# Altium PCB fullCURRENT power.PcbDoc (part 1 of 2) (continued)
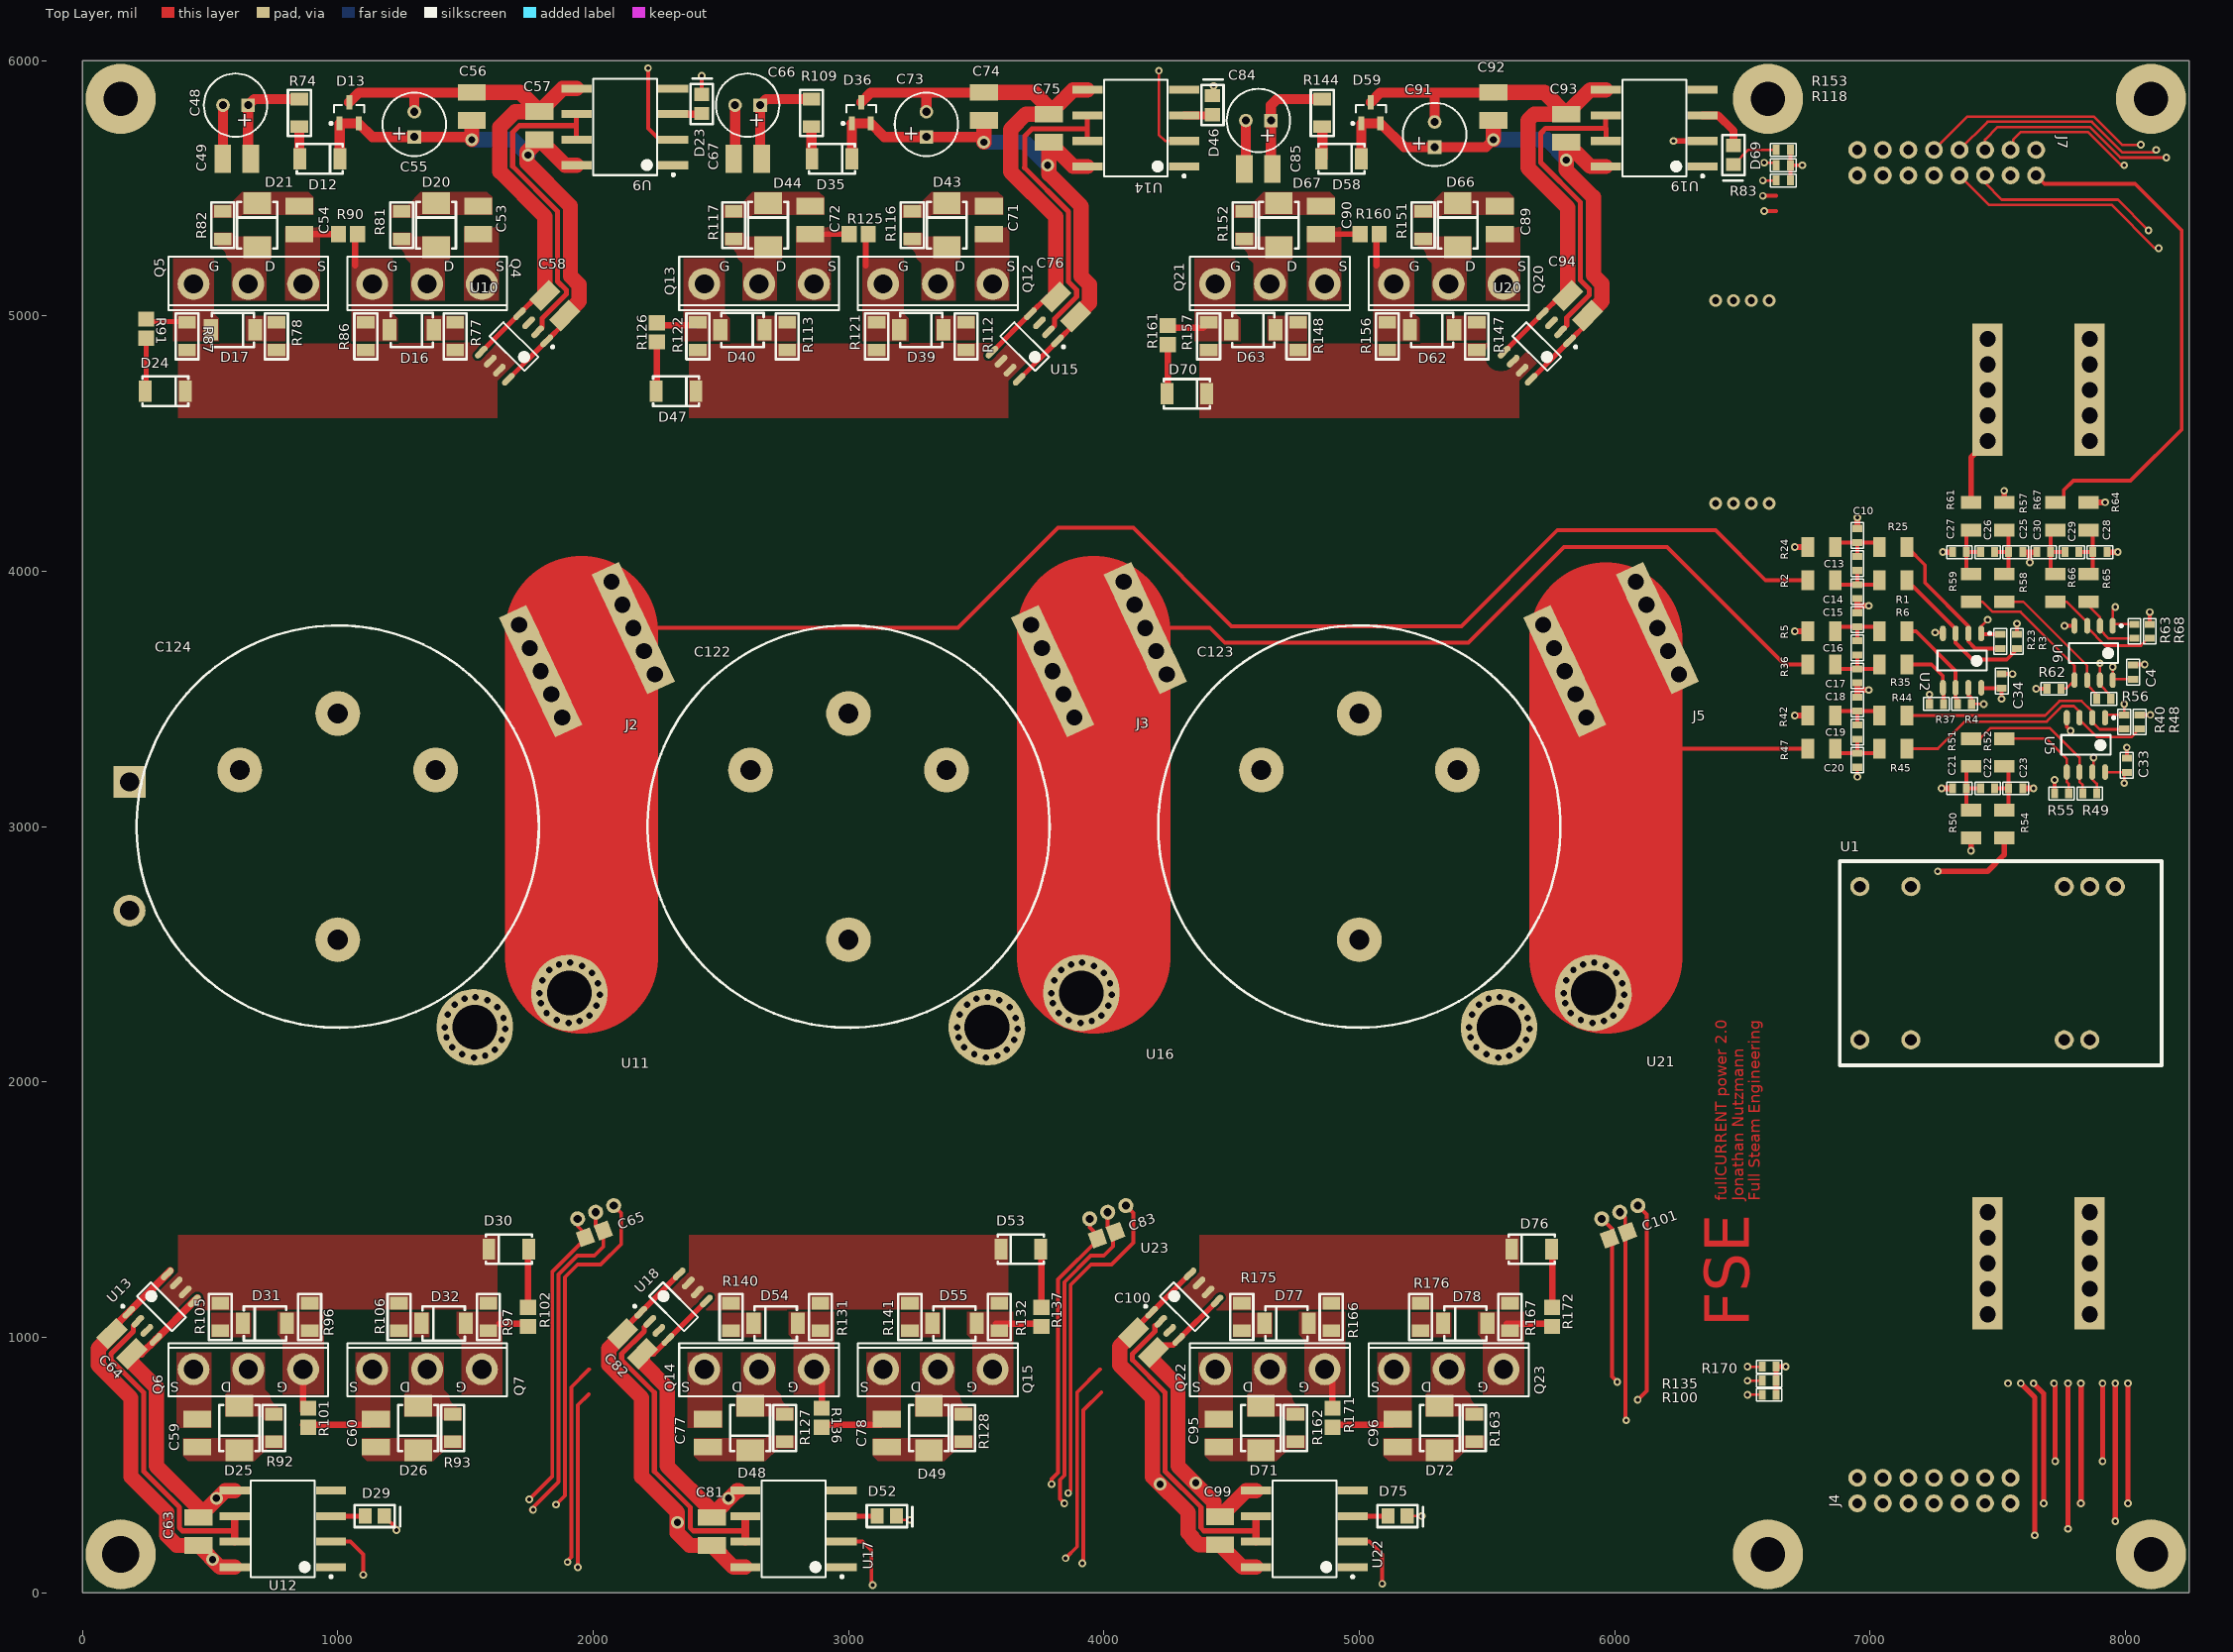
[diagram p0: Top Layer view]
## Design rules (kind name [scope] priority, off if disabled: settings)
Clearance "NEURAL CON" [InComponent('J7') vs InNet('NEUTRAL')] p1: gap=30
Clearance "Snubber Cap" [InComponent('C51') OR InComponent('C52') OR InComponent('C53') OR InComponent('C54') OR InComponent('C69') OR InComponent('C70') OR InComponent('C71') OR InComponent('C72') OR InComponent('C87') OR InComponent('C88') OR InComponent('C89') OR InComponent('C90')] p2: gap=40
Clearance A_HS_GATE [InNetClass('A_HS_GATE') vs InNet('PHASEA') OR InNet('PHASEA_PREI') OR InNetClass('A_HS_GATE')] p3: gap=10
Clearance B_HS_GATE [InNetClass('B_HS_GATE') vs InNet('PHASEB') OR InNet('PHASEB_PREI') OR InNetClass('B_HS_GATE')] p4: gap=10
Clearance C_HS_GATE [InNetClass('C_HS_GATE') vs InNet('PHASEC') OR InNet('PHASEC_PREI') OR InNetClass('C_HS_GATE')] p5: gap=10
Clearance HV_INNER [(InNetClass('HV') OR InNetClass('A_HS_GATE') OR InNetClass('B_HS_GATE') OR InNetClass('C_HS_GATE')) AND (OnLayer('ML1') or OnLayer('ML2'))] p6: gap=20
Clearance HV [InNetClass('HV') OR InNetClass('A_HS_GATE') OR InNetClass('B_HS_GATE') OR InNetClass('C_HS_GATE')] p7: gap=50
Clearance Basic [All] p8: gap=10
ComponentClearance term [(HasFootprint('POWER ELEMENT 90DEG M8 10PIN'))] p1 off: gap=0 collisioncheckmode=3 verticalgap=0 showdistances=FALSE
ComponentClearance [All] p2: gap=10 collisioncheckmode=3 verticalgap=10 showdistances=FALSE
Height [All] p1: minheight=0 maxheight=5000 prefheight=500
HoleSize [All] p1: absolutevalues=TRUE maxlimit=1000 minlimit=15 maxpercent=80.000 minpercent=20.000
MinimumSolderMaskSliver [All] p1: minsoldermaskwidth=3
PolygonConnect [All] p1: connectstyle=Direct reliefconductorwidth=10 reliefentries=4 polygonreliefangle="90 Angle"
RoutingVias [All] p1: holewidth=15 width=30 viastyle="Through Hole" minholewidth=15 minwidth=30 maxholewidth=100 maxwidth=50
SilkToSilkClearance [All] p1: silktosilkclearance=1
SilkscreenOverComponentPads [All] p1: minsilkscreentomaskgap=1
SolderMaskExpansion [All] p1: expansion=4
Width [All] p1: maxlimit=1000 minlimit=10 preferedwidth=10
22 further rules are at their usual default settings.

## Classes and differential pairs
net class C_HS_GATE: NCC NetC91_1 NetD62_A NetD62_K NetD63_A NetD63_K NetD70_K NetU19_6
net class B_HS_GATE: NCB NetC73_1 NetD39_A NetD39_K NetD40_A NetD40_K NetD47_K NetU14_6
net class A_HS_GATE: NCA NetC55_1 NetD16_A NetD16_K NetD17_A NetD17_K NetD24_K NetU9_6
component class "fullCURRENT power motor drive": C1 C48 C49 C53 C54 C55 C56 C57 C58 C59 C60 C63 C64 C65 C66 C67 C71 C72 C73 C74 C75 C76 C77 C78 C81 C82 C83 C84 C85 C89 C90 C91 C92 C93 C94 C95 C96 C99 C100 C101 C103 C104 C105 C106 C107 C108 C109 C110 C111 C112 C113 C114 C115 C116 C117 C118 C119 C120 C121 C122 C123 C124 D12 D13 D16 D17 D20 D21 D23 D24 D25 D26 D29 D30 D31 D32 D35 D36 D39 D40 D43 D44 D45 D46 D47 D48 D49 D52 D53 D54 D55 D58 D59 D62 D63 D66 D67 D69 D70 D71 D72 D75 D76 D77 D78 J3 J5 J14 J15 Q4 Q5 Q6 Q7 Q12 Q13 Q14 Q15 Q20 Q21 Q22 Q23 R74 R77 R78 R81 R82 R83 R86 R87 R90 R91 R92 R93 R96 R97 R100 R101 R102 R105 R106 R109 R112 R113 R116 R117 R118 R121 R122 R125 R126 R127 R128 R131 R132 R135 R136 R137 R140 R141 R144 R147 R148 R151 R152 R153 R156 R157 R160 R161 R162 R163 R166 R167 R170 R171 R172 R175 R176 U9 U10 U11 U12 U13 U14 U15 U16 U17 U18 U19 U20 U21 U22 U23
component class "fullCURRENT power logic": C4 C10 C13 C14 C15 C16 C17 C18 C19 C20 C21 C22 C23 C25 C26 C27 C28 C29 C30 C33 C34 J4 J7 R1 R2 R3 R4 R5 R6 R23 R24 R25 R35 R36 R37 R40 R42 R44 R45 R47 R48 R49 R50 R51 R52 R54 R55 R56 R57 R58 R59 R61 R62 R63 R64 R65 R66 R67 R68 U1 U2 U5 U6 U7
net class HV: NetC89_2 NEUTRAL PHASEA PHASEA_PREI PHASEB PHASEB_PREI PHASEC VBATT

## Components (designator, comment, footprint, x,y, rotation, side; value= is the part's Value field where it differs from the comment)
C1 "CAP 1210" 1825_CAPACITOR 6070,2905 r270 bottom
C4 "CAP 0603" 0603_cap 8030,3605 r270 top
C10 "CAP 0603" 0603_cap 6950,4140 r90 top
C13 "CAP 0603" 0603_cap 6950,4030 r90 top
C14 "CAP 0603" 0603_cap 6950,3920 r90 top
C15 "CAP 0603" 0603_cap 6950,3810 r90 top
C16 "CAP 0603" 0603_cap 6950,3700 r90 top
C17 "CAP 0603" 0603_cap 6950,3590 r90 top
C18 "CAP 0603" 0603_cap 6950,3480 r90 top
C19 "CAP 0603" 0603_cap 6950,3370 r90 top
C20 "CAP 0603" 0603_cap 6950,3260 r90 top
C21 "CAP 0603" 0603_cap 7350,3150 r180 top
C22 "CAP 0603" 0603_cap 7460,3150 r180 top
C23 "CAP 0603" 0603_cap 7570,3150 r180 top
C25 "CAP 0603" 0603_cap 7570,4075 r0 top
C26 "CAP 0603" 0603_cap 7460,4075 r0 top
C27 "CAP 0603" 0603_cap 7350,4075 r0 top
C28 "CAP 0603" 0603_cap 7900,4075 r0 top
C29 "CAP 0603" 0603_cap 7790,4075 r0 top
C30 "CAP 0603" 0603_cap 7680,4075 r0 top
C33 "CAP 0603" 0603_cap 8005,3240 r270 top
C34 "CAP 0603" 0603_cap 7515,3570 r270 top
C48 "C_UMA1E330MDD" CAPPR2.5-6.3x11 600,5825 r180 top
C49 "CAP 1210" 1210_Capacitor 605,5615 r180 top
C53 "CAP 1210" 1210_Capacitor 1550,5375 r270 top
C54 "CAP 1210" 1210_Capacitor 850,5375 r270 top
C55 "C_UMA1E330MDD" CAPPR2.5-6.3x11 1300,5750 r90 top
C56 "CAP 1210" 1210_Capacitor 1525,5820 r90 top
C57 "CAP 1210" 1210_Capacitor 1790,5745 r90 top
C58 "CAP 1210" 1210_Capacitor 1850,5040 r135 top
C59 "CAP 1210" 1210_Capacitor 450,625 r90 top
C60 "CAP 1210" 1210_Capacitor 1150,625 r90 top
C63 "CAP 1210" 1210_Capacitor 455,240 r90 top
C64 "CAP 1210" 1210_Capacitor 155,975 r315 top
C65 "CAP 0603" 0805_CAPACITOR 2005,1405 r20 top
C66 "C_UMA1E330MDD" CAPPR2.5-6.3x11 2605,5825 r180 top
C67 "CAP 1210" 1210_Capacitor 2605,5615 r180 top
C71 "CAP 1210" 1210_Capacitor 3550,5375 r270 top
C72 "CAP 1210" 1210_Capacitor 2850,5375 r270 top
C73 "C_UMA1E330MDD" CAPPR2.5-6.3x11 3305,5750 r90 top
C74 "CAP 1210" 1210_Capacitor 3530,5820 r90 top
C75 "CAP 1210" 1210_Capacitor 3785,5735 r90 top
C76 "CAP 1210" 1210_Capacitor 3850,5035 r135 top
C77 "CAP 1210" 1210_Capacitor 2450,625 r90 top
C78 "CAP 1210" 1210_Capacitor 3150,625 r90 top
C81 "CAP 1210" 1210_Capacitor 2465,240 r90 top
C82 "CAP 1210" 1210_Capacitor 2155,975 r315 top
C83 "CAP 0603" 0805_CAPACITOR 4010,1400 r20 top
C84 "C_UMA1E330MDD" CAPPR2.5-6.3x11 4605,5765 r180 top
C85 "CAP 1210" 1210_Capacitor 4605,5575 r180 top
C89 "CAP 1210" 1210_Capacitor 5550,5375 r270 top
C90 "CAP 1210" 1210_Capacitor 4850,5375 r270 top
C91 "C_UMA1E330MDD" CAPPR2.5-6.3x11 5295,5710 r90 top
C92 "CAP 1210" 1210_Capacitor 5525,5820 r90 top
C93 "CAP 1210" 1210_Capacitor 5810,5735 r90 top
C94 "CAP 1210" 1210_Capacitor 5855,5040 r135 top
C95 "CAP 1210" 1210_Capacitor 4450,625 r90 top
C96 "CAP 1210" 1210_Capacitor 5150,625 r90 top
C99 "CAP 1210" 1210_Capacitor 4455,242.5 r90 top
C100 "CAP 1210" 1210_Capacitor 4155,980 r315 top
C101 "CAP 0603" 0805_CAPACITOR 6015,1400 r20 top
C103 "CAP 1210" 1825_CAPACITOR 480,2905 r270 bottom
C104 "CAP 1210" 1825_CAPACITOR 775,2905 r270 bottom
C105 "CAP 1210" 1825_CAPACITOR 1070,2905 r270 bottom
C106 "CAP 1210" 1825_CAPACITOR 1365,2905 r270 bottom
C107 "CAP 1210" 1825_CAPACITOR 1660,2905 r270 bottom
C108 "CAP 1210" 1825_CAPACITOR 1955,2905 r270 bottom
C109 "CAP 1210" 1825_CAPACITOR 2250,2905 r270 bottom
C110 "CAP 1210" 1825_CAPACITOR 2545,2905 r270 bottom
C111 "CAP 1210" 1825_CAPACITOR 2840,2905 r270 bottom
C112 "CAP 1210" 1825_CAPACITOR 3135,2905 r270 bottom
C113 "CAP 1210" 1825_CAPACITOR 3430,2905 r270 bottom
C114 "CAP 1210" 1825_CAPACITOR 3725,2905 r270 bottom
C115 "CAP 1210" 1825_CAPACITOR 4020,2905 r270 bottom
C116 "CAP 1210" 1825_CAPACITOR 4315,2905 r270 bottom
C117 "CAP 1210" 1825_CAPACITOR 4610,2905 r270 bottom
C118 "CAP 1210" 1825_CAPACITOR 4905,2905 r270 bottom
C119 "CAP 1210" 1825_CAPACITOR 5200,2905 r270 bottom
C120 "CAP 1210" 1825_CAPACITOR 5495,2905 r270 bottom
C121 "CAP 1210" 1825_CAPACITOR 5790,2905 r270 bottom
C122 "C_ECE-T2DP392FX" "T-UP Series 4 Pin" 3000,3000 r0 top
C123 "C_ECE-T2DP392FX" "T-UP Series 4 Pin" 5000,3000 r0 top
C124 "C_ECE-T2DP392FX" "T-UP Series 4 Pin" 1000,3000 r0 top
D12 "D_ES1D" SMA 930,5615 r180 top
D13 "15V" SOT-23 1045,5795 r90 top
D16 "D_PMEG4050EP,115" SOD128 1290,4945 r180 top
D17 "D_PMEG4050EP,115" SOD128 590,4945 r180 top
D20 "D_MBRS3200T3G" SMB 1385,5355 r90 top
D21 "D_MBRS3200T3G" SMB 685,5355 r90 top
D23 "D_LED_0805_RED" 0805P_RED 2425,5830 r270 top
D24 "DIODE TVS 20V 400W UNI 5% SMD" SMA 325,4705 r180 top
D25 "D_MBRS3200T3G" SMB 615,645 r270 top
D26 "D_MBRS3200T3G" SMB 1315,645 r270 top
D29 "D_LED_0805_RED" 0805P_RED 1145,300 r180 top
D30 "DIODE TVS 20V 400W UNI 5% SMD" SMA 1670,1345 r0 top
D31 "D_PMEG4050EP,115" SOD128 715,1055 r0 top
D32 "D_PMEG4050EP,115" SOD128 1415,1055 r0 top
D35 "D_ES1D" SMA 2935,5615 r180 top
D36 "15V" SOT-23 3050,5795 r90 top
D39 "D_PMEG4050EP,115" SOD128 3285,4945 r180 top
D40 "D_PMEG4050EP,115" SOD128 2585,4945 r180 top
D43 "D_MBRS3200T3G" SMB 3385,5355 r90 top
D44 "D_MBRS3200T3G" SMB 2685,5355 r90 top
D45 "D_5KP180A" DIODE_TVS_5000W 185,2915 r90 bottom
D46 "D_LED_0805_RED" 0805P_RED 4425,5825 r270 top
D47 "DIODE TVS 20V 400W UNI 5% SMD" SMA 2325,4705 r180 top
D48 "D_MBRS3200T3G" SMB 2615,645 r270 top
D49 "D_MBRS3200T3G" SMB 3315,645 r270 top
D52 "D_LED_0805_RED" 0805P_RED 3150,300 r180 top
D53 "DIODE TVS 20V 400W UNI 5% SMD" SMA 3675,1345 r0 top
D54 "D_PMEG4050EP,115" SOD128 2715,1055 r0 top
D55 "D_PMEG4050EP,115" SOD128 3415,1055 r0 top
D58 "D_ES1D" SMA 4930,5615 r180 top
D59 "15V" SOT-23 5045,5795 r90 top
D62 "D_PMEG4050EP,115" SOD128 5285,4945 r180 top
D63 "D_PMEG4050EP,115" SOD128 4585,4945 r180 top
D66 "D_MBRS3200T3G" SMB 5385,5355 r90 top
D67 "D_MBRS3200T3G" SMB 4685,5355 r90 top
D69 "D_LED_0805_RED" 0805P_RED 6465,5630 r90 top
D70 "DIODE TVS 20V 400W UNI 5% SMD" SMA 4325,4695 r180 top
D71 "D_MBRS3200T3G" SMB 4615,645 r270 top
D72 "D_MBRS3200T3G" SMB 5315,645 r270 top
D75 "D_LED_0805_RED" 0805P_RED 5150,300 r180 top
D76 "DIODE TVS 20V 400W UNI 5% SMD" SMA 5675,1345 r0 top
D77 "D_PMEG4050EP,115" SOD128 4715,1055 r0 top
D78 "D_PMEG4050EP,115" SOD128 5415,1055 r0 top
J2 "J_POWER ELEMENT 90DEG M8 10PIN" "POWER ELEMENT 90DEG M8 10PIN" 1710,3790 r295 top
J3 "J_POWER ELEMENT 90DEG M8 10PIN" "POWER ELEMENT 90DEG M8 10PIN" 3715,3790 r295 top
J4 "J_7x2_0.1_THRU_BD" ZW-07-10-X-D-500-085 7550,400 r90 top
J5 "J_POWER ELEMENT 90DEG M8 10PIN" "POWER ELEMENT 90DEG M8 10PIN" 5720,3790 r295 top
J7 "J_8x2_0.1_THRU_BD" ZW-08-10-X-D-500-085 7550,5600 r90 top
J14 "J_POWER ELEMENT 90DEG M8 10PIN" "POWER ELEMENT 90DEG M8 10PIN" 7460,4510 r90 bottom
J15 "J_POWER ELEMENT 90DEG M8 10PIN" "POWER ELEMENT 90DEG M8 10PIN" 7460,1090 r90 bottom
Q4 "IRFP4668" TO-247-UNDER 1350,5125 r0 top
Q5 "IRFP4668" TO-247-UNDER 650,5125 r0 top
Q6 "IRFP4668" TO-247-UNDER 650,875 r180 top
Q7 "IRFP4668" TO-247-UNDER 1350,875 r180 top
Q12 "IRFP4668" TO-247-UNDER 3350,5125 r0 top
Q13 "IRFP4668" TO-247-UNDER 2650,5125 r0 top
Q14 "IRFP4668" TO-247-UNDER 2650,875 r180 top
Q15 "IRFP4668" TO-247-UNDER 3350,875 r180 top
Q20 "IRFP4668" TO-247-UNDER 5350,5125 r0 top
Q21 "IRFP4668" TO-247-UNDER 4650,5125 r0 top
Q22 "IRFP4668" TO-247-UNDER 4650,875 r180 top
Q23 "IRFP4668" TO-247-UNDER 5350,875 r180 top
R1 "RES 1206" 1206_Resistor 7090,3965 r180 top
R2 "RES 1206" 1206_Resistor 6810,3965 r180 top
R3 "RES 0603" 0603_res 7575,3725 r270 top
R4 "RES 0603" 0603_res 7370,3480 r0 top
R5 "RES 1206" 1206_Resistor 6810,3765 r180 top
R6 "RES 1206" 1206_Resistor 7090,3765 r180 top
R23 "RES 0603" 0603_res 7510,3725 r90 top
R24 "RES 1206" 1206_Resistor 6810,4095 r180 top
R25 "RES 1206" 1206_Resistor 7090,4095 r180 top
R35 "RES 1206" 1206_Resistor 7090,3635 r180 top
R36 "RES 1206" 1206_Resistor 6810,3635 r180 top
R37 "RES 0603" 0603_res 7260,3480 r180 top
R40 "RES 0603" 0603_res 7995,3410 r270 top
R42 "RES 1206" 1206_Resistor 6810,3435 r180 top
R44 "RES 1206" 1206_Resistor 7090,3435 r180 top
R45 "RES 1206" 1206_Resistor 7090,3305 r180 top
R47 "RES 1206" 1206_Resistor 6810,3305 r180 top
R48 "RES 0603" 0603_res 8055,3410 r270 top
R49 "RES 0603" 0603_res 7860,3130 r180 top
R50 "RES 1206" 1206_Resistor 7395,3010 r270 top
R51 "RES 1206" 1206_Resistor 7395,3290 r270 top
R52 "RES 1206" 1206_Resistor 7525,3290 r270 top
R54 "RES 1206" 1206_Resistor 7525,3010 r270 top
R55 "RES 0603" 0603_res 7750,3130 r0 top
R56 "RES 0603" 0603_res 7915,3500 r180 top
R57 "RES 1206" 1206_Resistor 7525,4215 r90 top
R58 "RES 1206" 1206_Resistor 7525,3935 r90 top
R59 "RES 1206" 1206_Resistor 7395,3935 r90 top
R61 "RES 1206" 1206_Resistor 7395,4215 r90 top
R62 "RES 0603" 0603_res 7720,3540 r0 top
R63 "RES 0603" 0603_res 8035,3765 r270 top
R64 "RES 1206" 1206_Resistor 7855,4215 r90 top
R65 "RES 1206" 1206_Resistor 7855,3935 r90 top
R66 "RES 1206" 1206_Resistor 7725,3935 r90 top
R67 "RES 1206" 1206_Resistor 7725,4215 r90 top
R68 "RES 0603" 0603_res 8095,3765 r270 top
R74 "RES MELF 0204" "MELF 0204" 850,5795 r90 top
R77 "RES MELF 0204" "MELF 0204" 1460,4920 r270 top
R78 "RES MELF 0204" "MELF 0204" 760,4920 r270 top
R81 "RES MELF 0204" "MELF 0204" 1250,5355 r90 top
R82 "RES MELF 0204" "MELF 0204" 550,5355 r90 top
R83 "RES 0603" 0603_res 6660,5530 r0 top
R86 "RES MELF 0204" "MELF 0204" 1110,4920 r270 top
R87 "RES MELF 0204" "MELF 0204" 410,4920 r270 top
R90 "RES 0805" 0805_RESISTOR 1040,5320 r180 top
R91 "RES 0805" 0805_RESISTOR 250,4950 r270 top
R92 "RES MELF 0204" "MELF 0204" 750,645 r270 top
R93 "RES MELF 0204" "MELF 0204" 1450,645 r270 top
R96 "RES MELF 0204" "MELF 0204" 890,1080 r90 top
R97 "RES MELF 0204" "MELF 0204" 1590,1080 r90 top
R100 "RES 0603" 0603_res 6605,775 r0 top
R101 "RES 0805" 0805_RESISTOR 885,685 r270 top
R102 "RES 0805" 0805_RESISTOR 1745,1080 r90 top
R105 "RES MELF 0204" "MELF 0204" 540,1080 r90 top
R106 "RES MELF 0204" "MELF 0204" 1240,1080 r90 top
R109 "RES MELF 0204" "MELF 0204" 2855,5795 r90 top
R112 "RES MELF 0204" "MELF 0204" 3460,4920 r270 top
R113 "RES MELF 0204" "MELF 0204" 2760,4920 r270 top
R116 "RES MELF 0204" "MELF 0204" 3250,5355 r90 top
R117 "RES MELF 0204" "MELF 0204" 2550,5355 r90 top
R118 "RES 0603" 0603_res 6660,5590 r0 top
R121 "RES MELF 0204" "MELF 0204" 3110,4920 r270 top
R122 "RES MELF 0204" "MELF 0204" 2410,4920 r270 top
R125 "RES 0805" 0805_RESISTOR 3040,5320 r180 top
R126 "RES 0805" 0805_RESISTOR 2250,4935 r270 top
R127 "RES MELF 0204" "MELF 0204" 2750,645 r270 top
R128 "RES MELF 0204" "MELF 0204" 3450,645 r270 top
R131 "RES MELF 0204" "MELF 0204" 2890,1080 r90 top
R132 "RES MELF 0204" "MELF 0204" 3590,1080 r90 top
R135 "RES 0603" 0603_res 6605,830 r0 top
R136 "RES 0805" 0805_RESISTOR 2895,685 r270 top
R137 "RES 0805" 0805_RESISTOR 3755,1080 r90 top
R140 "RES MELF 0204" "MELF 0204" 2540,1080 r90 top
R141 "RES MELF 0204" "MELF 0204" 3240,1080 r90 top
R144 "RES MELF 0204" "MELF 0204" 4855,5795 r90 top
R147 "RES MELF 0204" "MELF 0204" 5460,4920 r270 top
R148 "RES MELF 0204" "MELF 0204" 4760,4920 r270 top
R151 "RES MELF 0204" "MELF 0204" 5250,5355 r90 top
R152 "RES MELF 0204" "MELF 0204" 4550,5355 r90 top
R153 "RES 0603" 0603_res 6660,5650 r0 top
R156 "RES MELF 0204" "MELF 0204" 5110,4920 r270 top
R157 "RES MELF 0204" "MELF 0204" 4410,4920 r270 top
R160 "RES 0805" 0805_RESISTOR 5040,5320 r180 top
R161 "RES 0805" 0805_RESISTOR 4250,4925 r270 top
R162 "RES MELF 0204" "MELF 0204" 4750,645 r270 top
R163 "RES MELF 0204" "MELF 0204" 5450,645 r270 top
R166 "RES MELF 0204" "MELF 0204" 4890,1080 r90 top
R167 "RES MELF 0204" "MELF 0204" 5590,1080 r90 top
R170 "RES 0603" 0603_res 6605,885 r0 top
R171 "RES 0805" 0805_RESISTOR 4895,685 r270 top
R172 "RES 0805" 0805_RESISTOR 5755,1080 r90 top
R175 "RES MELF 0204" "MELF 0204" 4540,1080 r90 top
R176 "RES MELF 0204" "MELF 0204" 5240,1080 r90 top
U1 "U_REC5-2415SRWZ/H2/A" REC5-2415SRWZ/H2/A 7960,2765 r180 top
U2 "IC OP AMP" SOIC127P600X175-8N 7360,3650 r270 top
U5 "IC OP AMP" SOIC127P600X175-8N 7845,3320 r270 top
U6 "IC OP AMP" SOIC127P600X175-8N 7875,3680 r270 top
U9 "U_FOD3184TSR2V" 8-SMD 2125,5740 r180 top
U10 "TC4422AVOA" SOIC127P600X175-8N 1690,4880 r225 top
U11 "U_ACS758x-CB-PFF" ACS758 2010,1490 r20 top
U12 "U_FOD3184TSR2V" 8-SMD 785,250 r180 top
U13 "TC4422AVOA" SOIC127P600X175-8N 310,1120 r45 top
U14 "U_FOD3184TSR2V" 8-SMD 4125,5735 r180 top
U15 "TC4422AVOA" SOIC127P600X175-8N 3690,4880 r225 top
U16 "U_ACS758x-CB-PFF" ACS758 4015,1490 r20 top
U17 "U_FOD3184TSR2V" 8-SMD 2785,250 r180 top
U18 "TC4422AVOA" SOIC127P600X175-8N 2315,1120 r45 top
U19 "U_FOD3184TSR2V" 8-SMD 6155,5735 r180 top
U20 "TC4422AVOA" SOIC127P600X175-8N 5695,4880 r225 top
U21 "U_ACS758x-CB-PFF" ACS758 6020,1490 r20 top
U22 "U_FOD3184TSR2V" 8-SMD 4785,250 r180 top
U23 "TC4422AVOA" SOIC127P600X175-8N 4315,1120 r45 top

## Footprints (in the part's own frame and the unit in brackets; to place one, negate y for a bottom-side part, rotate by r counter-clockwise, add the part's x,y. Pads: shape width x height; smd on the part's side, far side on the other; paste and mask are expansions set on the pad)
8-SMD [mm]
  rect 3x0.8 smd: 1(-4.8,3.81) 2(-4.8,1.27) 3(-4.8,-1.27) 4(-4.8,-3.81) 5(4.8,-3.81) 6(4.8,-1.27) 7(4.8,1.27) 8(4.8,3.81)
  silkscreen extent -4.93,-4.8 3.18,4.88, body extent -3.33,-4.77 3.33,4.77, height 4.85
0603_cap [mm]
  rect 0.7x1 smd: 1(-0.7,0) 2(0.7,0)
  silkscreen extent -1.27,-0.64 1.27,0.64, body extent -0.8,-0.4 0.8,0.4, height 0.3
0603_res [mm]
  rect 0.7x1 smd: 1(-0.7,0) 2(0.7,0)
  silkscreen extent -1.27,-0.64 1.27,0.64, body extent -0.8,-0.4 0.8,0.4, height 0.3
0805_CAPACITOR [mm] "0805 Capacitor"
  rect 1.5x1.6 smd: 1(-0.95,0) 2(0.95,0)
  body extent -1,-0.62 1,0.62, height 0.76
0805_RESISTOR [mm] "0805 Resistor"
  rect 1.5x1.6 smd: 1(-0.95,0) 2(0.95,0)
  body extent -1,-0.62 1,0.63, height 0.78
0805P_RED [mm] "Chip Capacitor; Body 2.0 x 1.2 mm (LxW typ)"
  rect 1.3x1.5 smd: 1(-0.95,0) 2(0.95,0)
  silkscreen extent -2.54,-1.1 2,1.1, body extent -1.02,-0.64 0.99,0.61, height 0.79
1206_Resistor [mm] "1206 Resistor/Capacitor"
  rect 1.25x2 smd: 1(-1.375,0) 2(1.375,0)
  body extent -1.6,-0.8 1.6,0.8, height 1
1210_Capacitor [mil] "1210 Capacitor"
  rect 65x110 smd: 1(-55,0) 2(55,0)
  body extent -84,-54 82,52, height 36
1825_CAPACITOR [mil] "1825 Capacitor"
  rect 75x265 smd: 1(-77.5,0) 2(77.5,0)
  body extent -115,-132 115,133, height 49
ACS758 [mm]
  round 1.5 hole 0.8: 1(-1.91,0) 2(0,0) 3(1.91,0)
  round 7.62 hole 4.445: 4(5,21.4) 5(-5,21.4)
  body extent -7,-0.5 7,22.32, height 7
CAPPR2.5-6.3x11 [mm] "Capacitor, Electrolytic, Radial; Body 6.3 x 11 mm (Dia.xH typ); Pin Spacing 2.5 mm (typ)"
  rect 1.35x1.35 hole 0.8: 1(-1.25,0)
  round 1.35 hole 0.8: 2(1.25,0)
  silkscreen extent -3.15,-3.15 3.15,3.15, body extent -3.15,-3.15 3.13,3.15, height 11.01
DIODE_TVS_5000W [mm]
  round 3.175 hole 1.905: A(-6.2,0)
  rect 3.175x3.175 hole 1.905: K(6.6,0)
  silkscreen extent -4.44,-4.44 4.44,4.44, body extent -6.7,-4 7.2,4.2, height 8.54
"MELF 0204" [mm]
  rect 1.25x1.75 smd: 1(-1.375,0) 2(1.375,0)
  silkscreen extent -2.29,-1.14 2.29,1.14, body extent -1.71,-0.7 1.69,0.7, height 1.4
"POWER ELEMENT 90DEG M8 10PIN" [mm]
  rect 3x3 hole 1.6: 0(0,10.16) 0(0,0) 0(2.54,10.16) 0(2.54,0) 0(5.08,10.16) 0(5.08,0) 0(7.62,10.16) 0(7.62,0) 0(10.16,10.16) 0(10.16,0)
  body extent -6.71,-5.57 13.29,62.13, height 20.57
REC5-2415SRWZ/H2/A [mm]
  round 1.905 hole 1.15: 1(0,0) 2(2.54,0) 3(5.08,0) 9(20.32,0) 11(25.4,0) 14(25.4,15.24) 16(20.32,15.24) 22(5.08,15.24) 23(2.54,15.24)
  silkscreen extent -4.6,-2.53 27.4,17.77, body extent -4.51,-2.41 27.3,17.65, height 10.2
SMA [mm]
  rect 1.27x2.1 smd: A(1.985,0) K(-1.985,0)
  silkscreen extent -2.29,-1.46 2.29,1.46, body extent -2.6,-1.3 2.6,1.3, height 2.4
SMB [mil]
  rect 85x107.99 smd: A(-87.01,0) K(87.01,0)
  silkscreen extent -90,-78 90,78, body extent -106,-71 106,71, height 90
SOD128 [mm]
  rect 1.4x2.1 smd: A(2.2,0) K(-2.2,0)
  silkscreen extent -2.1,-1.7 2.1,1.7, body extent -2.6,-1.33 2.6,1.37, height 1.11
SOIC127P600X175-8N [mm] "SOIC, 8-Leads, Body 4.9x3.9mm (max), Pitch 1.27mm, IPC Medium Density"
  oval 1.55x0.6 smd: 1(-2.7,1.905) 2(-2.7,0.635) 3(-2.7,-0.635) 4(-2.7,-1.905) 5(2.7,-1.905) 6(2.7,-0.635) 7(2.7,0.635) 8(2.7,1.905)
  silkscreen extent -2.82,-2.45 0.97,2.88, body extent -3.02,-2.46 2.98,2.48, height 1.55
SOT-23 [mm] "SOT23, 3-Leads, Body 3.0x2.7mm (max), Pitch 0.95mm, IPC Medium Density"
  rect 1.4x0.6 smd: 1(-1.05,0.95) 2(-1.05,-0.95) 3(1.05,0)
  silkscreen extent -1.17,-1.5 0.76,1.92, body extent -1.21,-1.1 0.99,1.1, height 1.1
"T-UP Series 4 Pin" [mil]
  round 175 hole 78: 0(-383.57,221.46) 0(383.57,221.46) 1(0,442.91) 2(0,-442.91)
  silkscreen extent -787,-787 787,787, body extent -787,-787 787,787, height 2468
TO-247-UNDER [mm]
  round 3.175 hole 1.905: D(0,0) G(-5.45,0) S(5.45,0)
  silkscreen extent -7.95,-2.6 7.95,2.7
ZW-07-10-X-D-500-085 [mil]
  round 70 hole 40: 1(-50,600) 2(50,600) 3(-50,500) 4(50,500) 5(-50,400) 6(50,400) 7(-50,300) 8(50,300) 9(-50,200) 10(50,200) 11(-50,100) 12(50,100) 13(-50,0) 14(50,0)
  body extent -115,-65 115,665, height 1245
ZW-08-10-X-D-500-085 [mil]
  round 70 hole 40: 1(-50,600) 2(50,600) 3(-50,500) 4(50,500) 5(-50,400) 6(50,400) 7(-50,300) 8(50,300) 9(-50,200) 10(50,200) 11(-50,100) 12(50,100) 13(-50,0) 14(50,0) 15(-50,-100) 16(50,-100)
  body extent -115,-167 115,663, height 1245

## Part data
C1 C103 C104 C105 C106 C107 C108 C109 C110 C111 C112 C113 C114 C115 C116 C117 C118 C119 C120 C121: library part C_1210, "CAP CER 1UF 250V 10% X7R 1825"
C4 C21 C22 C23 C33 C34 C65 C83 C101: library part C_0603, "CAP CERM 0.1uF 0603 X7R"
C10 C13 C14 C15 C16 C17 C18 C19 C20 C25 C26 C27 C28 C29 C30: library part C_0603, "CAP CERM 47PF 100V 0603 NP0"
C48 C55 C66 C73 C84 C91: "CAP ALUM 150UF 25V 20% RADIAL"
C49 C56 C57 C58 C63 C64 C67 C74 C75 C76 C81 C82 C85 C92 C93 C94 C99 C100: library part C_1210, "CAP CER 10UF 25V 10% X7R 1210"
C53 C54 C59 C60 C71 C72 C77 C78 C89 C90 C95 C96: library part C_1210, "CAP CERM 1210"
C122 C123 C124: "CAP ALUM 3900UF 200V 20% SNAP"
D12 D35 D58: "DIODE ULTRAFAST 200V 1A DO-214AC"
D13 D36 D59: library part SM15, "15V TVS SOT23"
D16 D17 D31 D32 D39 D40 D54 D55 D62 D63 D77 D78: "SCHOTTKY RECT 40V 5A SOD128"
D20 D21 D25 D26 D43 D44 D48 D49 D66 D67 D71 D72: "DIODE SCHOTTKY 3A 200V SMB"
D23 D29 D46 D52 D69 D75: "LED RED 0805"
D24 D30 D47 D53 D70 D76: library part D_SMAJ20A
D45: "5KP180A"
J4: "7 x 2 0.1\" Header"
J7: "8 x 2 0.1\" Header"
R1 R2 R5 R6 R24 R25 R35 R36 R42 R44 R45 R47 R57 R58 R59 R61 R64 R65 R66 R67: library part R_1206, "RES 200K 1206 0.1%"
R3 R4 R23 R37 R40 R48 R49 R55 R56 R62 R63 R68: library part R_0603, "RES 5.1K 0603 0.1%"
R50 R51 R52 R54: library part R_1206, "RES 22k 1206 0.1%"
R74 R77 R78 R81 R82 R86 R87 R92 R93 R96 R97 R105 R106 R109 R112 R113 R116 R117 R121 R122 R127 R128 R131 R132 R140 R141 R144 R147 R148 R151 R152 R156 R157 R162 R163 R166 R167 R175 R176: library part R_MELF_0204
R83 R90 R91 R100 R101 R102 R118 R125 R126 R135 R136 R137 R153 R160 R161 R170 R171 R172: library part R_0603
U1: "CONV DC/DC 5W 9-36VIN 15VOUT"
U2 U5 U6: library part U_MCP6V02-E/SN, "IC OPAMP AUTO-ZERO DUAL 8SOIC"
U9 U12 U14 U17 U19 U22: "OPTO MOSFET/IGBT GATE DVR 8-SMD"
U10 U13 U15 U18 U20 U23: library part U_TC4422AVOA, "IC MOSFET DVR 9A NON-INV 8SOIC"
U11 U16 U21: "IC SENSOR CURRENT 200A UNI 3-CB"

## Free pads (board coordinates)
  round 275 hole 145: 0(150,150)
  round 275 hole 135: 0(150,5850) 0(6600,150) 0(6600,5850) 0(8100,150) 0(8100,5850)

## Via types
v1: diameter 50, hole 25, Top Layer to Bottom Layer, 96 vias
v2: diameter 30, hole 15, Top Layer to Bottom Layer, 93 vias
v3: diameter 50, hole 28, Top Layer to Bottom Layer, 20 vias

## Nets (pads, with @x,y where several pads share a name; then routed paths per layer and width w, separated by ;. In a path a pad name is that pad's centre, name@x,y a point inside that pad or via, vN(x,y) a via of type N, cw(c..) or ccw(c..) an arc to the next point about the centre after c; other vN are vias at no path point)
+15V: C48.1 C49.1 C63.1 C64.1 C66.1 C67.1 C81.1 C82.1 C84.1 C85.1 C99.1 C100.1 R54.2 R74.2 R109.2 R144.2 U1.14 U12.8 U13.1 U13.8 U17.8 U18.1 U18.8 U22.8 U23.1 U23.8 | length 6329.7
  Top Layer w22: C82.1@2116.11,1010.36 C82.1@2116.11,1013.89 2116.11,1027.18 U18.1@2186.8,1097.87 U18.8@2337.13,1248.2 ; C100.1@4116.11,1018.89 4116.11,1027.18 U23.1@4186.8,1097.87 U23.8@4337.13,1248.2 ; v2(7265,2825) 7460,2825 7525,2890 R54.2@7525,2955.87
  Top Layer w30: C64.1@116.11,1013.89 116.11,1032.18 U13.1@181.8,1097.87 U13.8@332.13,1248.2 U13.8@344.47,1260.53 ; C49.1@649.21,5625.79 C49.1@660,5615
  Top Layer w40: C49.1@649.21,5625.79 C48.1@649.21,5825 673.35,5849.13 R74.2@850,5849.13 ; C67.1@2660,5615 2654.21,5620.79 C66.1@2654.21,5825 2678.35,5849.13 R109.2@2855,5849.13 ; C85.1@4660,5615 4654.21,5620.79 4654.21,5825 4678.35,5849.13 R144.2@4855,5849.13
  Top Layer w60: C64.1@116.11,1013.89 116.11,1010.36 62.02,956.26 62.02,891.2 190,763.22 190,454.29 330,314.29 330,225 370,185 C63.1@455,185 540,100 U12.8@596.02,100 ; C82.1@2116.11,1010.36 2062.02,956.26 2062.02,891.2 2190,763.22 2190,454.29 2330,314.29 2330,233.51 2378.51,185 C81.1@2465,185 2550,100 U17.8@2596.02,100 ; C100.1@4116.11,1018.89 4062.02,964.8 4062.02,891.2 4190,763.22 4190,454.29 4330,314.29 4330,233.51 4345,218.51 4345,215 4372.5,187.5 C99.1@4455,187.5 4542.5,100 U22.8@4596.02,100
  other v3: 510,130 2330,275 4220,425
+VCAN: J4.10 U1.22 U1.23
+VCC_ISENSE: C65.1 C83.1 C101.1 J4.13 U11.1 U16.1 U21.1 | length 17876.4
  Top Layer w10: v2(7640,820) v2@7641.18,818.82 ; v2(7825,820) v2@7826.18,818.82 ; v2(8010,820) v2@8011.18,818.82
  Top Layer w15: v2(1750,365) 1840,455 1840,1256.47 1979.1,1395.57 1939.34,1435.34 U11.1@1939.34,1464.28 ; v2(3795,425) 3795,445 3820,470 3820,1226.47 3984.1,1390.57 3944.34,1430.34 U16.1@3944.34,1464.28 ; U21.1@5949.34,1464.28 5989.1,1424.52 5989.1,845.9 v2(6010,825)
  Top Layer w20: v2@7641.18,818.82 7680,780 v2(7680,350) ; v2@7826.18,351.18 v2@7826.18,818.82 ; v2(8010,350) v2(8010,820)
  Top Layer w30: v2(7825,350) v2@7826.18,351.18
  ML2 w10: v2(1750,365) 1760,375 2436.57,375 2481.57,330 2573.43,330 2608.43,365 3271.57,365 3321.57,315 4398.43,315 4463.43,380 5908.43,380 6508.43,980 7216.57,980 7326.57,870 7582.43,870 7632.43,820 v2(7640,820) ; v2(3795,425) 3885,425 3935,375 4373.58,375 4438.58,440 5883.58,440 6483.58,1040 7250,1040 7360,930 7737.43,930 7825,842.43 v2(7825,820) v2@7817.43,820 ; v2(6010,825) 6000,825 6000.64,825.64 6184.36,825.64 6458.73,1100 7280,1100 7390,990 7840.71,990 8010,820.71 v2(8010,820)
  ML2 w30: J4.13@7550,350 v2(7680,350) v2(7825,350) v2(8010,350)
+VCC_TEMP: J7.7
+VCC_TEMPN: J4.8
+VCC_VSENSE: C4.2 C33.2 C34.2 J7.16 U2.8 U5.8 U6.8 | length 387.9
  Top Layer w10: U5.8@7920,3213.7 7921.26,3212.44 C33.2@8005,3212.44 7995,3202.44 v2(7995,3170) ; v2(7950,3625) U6.8@7950,3573.7 7953.74,3577.44 C4.2@8030,3577.44
  Top Layer w15: U2.8@7435,3543.7 7436.26,3542.44 C34.2@7515,3542.44 v2(7515,3500)
GND: C4.1 C33.1 C34.1 J7.13 R3.1 R37.2 R48.1 R55.1 R62.1 R68.1 R83.2 R118.2 R153.2 U2.4 U5.4 U6.4 | length 696.2
  Top Layer w15: R83.2@6687.56,5530 R118.2@6687.56,5590 ; R153.2@6687.56,5650 R118.2@6687.56,5590 ; v2(6735,5590) R118.2@6687.56,5590 ; R37.2@7232.44,3475 R37.2@7232.44,3480 v2(7232.44,3517.56) ; v2(7255,3760) 7281.3,3760 U2.4@7285,3756.3 ; C34.1@7515,3597.56 v2(7557.56,3597.56) ; R3.1@7575,3752.56 v2(7575,3795) ; v2(7650,3540) R62.1@7692.44,3540 ; R55.1@7722.44,3130 v2(7722.44,3182.56) ; v2(7761.3,3786.3) U6.4@7800,3786.3 ; U5.4@7770,3426.3 7770,3390 v2(7785,3375) ; C33.1@8005,3267.56 v2(8005,3310) ; C4.1@8030,3632.56 8032.44,3635 v2(8075,3635) ; R48.1@8055,3437.56 v2(8097.56,3437.56) ; R68.1@8095,3792.56 v2(8095,3840)
GNDN: C65.2 C83.2 C101.2 J4.12 J4.14 R100.2 R135.2 R170.2 U1.1 U1.2 U1.3 U11.2 U16.2 U21.2 | length 16745.1
  Top Layer w10: v2@7538.82,818.82 v2(7540,820) ; v2(7720,820) v2@7725,815 ; v2@7908.82,818.82 v2(7910,820)
  Top Layer w15: v2(1765,325) 1755,325 1762.5,332.5 1763.46,332.5 1865,434.04 1865,1246.12 1938.88,1320 2005,1320 2040,1355 2040,1405.32 2010,1435.32 U11.2@2010,1490 ; v2(3845,350) 3827.5,367.5 3827.5,442.14 3845,459.64 3845,1216.12 3948.88,1320 4000,1320 4035.9,1355.9 4035.9,1409.43 4015,1430.32 U16.2@4015,1490 ; U21.2@6020,1490 6040.9,1469.1 6040.9,1409.43 6042.5,1407.82 6042.5,677.5 v2(6045,675)
  Top Layer w20: R100.2@6632.56,775 R135.2@6632.56,830 R170.2@6632.56,885 v2(6670,885) ; J4.14@7538.82,461.18 J4.14@7550,450 ; v2(7725,515) v2@7725,815 ; v2(7910,515) v2(7910,820)
  ML2 w10: v2(1765,325) 1775,315 1867.43,315 1877.43,325 2430,325 2465,290 2590,290 2625,325 3255,325 3305,275 4415,275 4480,340 5925,340 6525,940 7200,940 7320,820 v2@7535,820 ; v2(3845,350) 3860,335 4390.15,335 4455.15,400 5900.15,400 6500.15,1000 7230,1000 7340,890 7642.43,890 7712.43,820 v2(7720,820) ; v2(6045,675) 6090.29,675 6475.29,1060 7260,1060 7370,950 7795,950 7910,835 v2(7910,820) ; v2@7535,825 v2(7540,820)
IA_RAW: J4.7 U11.3 | length 8571.2
  Top Layer w15: v2(1855,345) 1890,380 1890,1235.76 1939.24,1285 2030,1285 2110,1365 2110,1486.38 U11.3@2080.66,1515.72
  Top Layer w20: v2(7590,820) 7645,765 v2(7645,225)
  ML2 w10: v2(1855,345) 2438.28,345 2473.28,310 2581.72,310 2616.72,345 3263.28,345 3313.28,295 4406.72,295 4471.72,360 5916.72,360 6516.72,960 7208.28,960 7318.28,850 7552.43,850 7582.43,820 v2(7590,820) ; J4.7@7250,350 7250,270 7295,225 v2(7645,225)
IB_RAW: J4.9 U16.3 | length 6670.4
  Top Layer w15: v2(3860,390) 3870,400 3870,1205.76 3949.24,1285 4030,1285 4115,1370 4115,1486.38 U16.3@4085.66,1515.72
  Top Layer w20: v2(7775,250) v2(7775,820)
  ML2 w10: v2@3860,400 3905,355 4381.86,355 4446.86,420 5891.86,420 6491.86,1020 7240,1020 7350,910 7702.43,910 7775,837.43 v2(7775,820) ; J4.9@7350,350 7350,285 7380,255 7775,255 v2(7775,250)
IC_RAW: J4.11 U21.3 | length 4030.7
  Top Layer w15: v2(6090,755) 6125,790 6125,1481.38 U21.3@6090.66,1515.72
  Top Layer w20: v2(7960,280) v2(7960,820)
  ML2 w10: v2(6090,755) 6142.01,755 6467.01,1080 7268.28,1080 7378.28,970 7832.43,970 7960,842.43 v2(7960,820) v2@7952.43,820 ; J4.11@7450,350 7450,300 7470,280 v2(7960,280)
NCA: U10.3
NCB: U15.3
NCC: U20.3
NetC10_1: C10.1 C13.2 R24.1 R25.2 | length 241.1
  Top Layer w15: R24.1@6864.13,4095 6881.57,4112.44 C10.1@6950,4112.44 ; C13.2@6950,4057.56 C10.1@6950,4112.44 ; R25.2@7035.87,4095 7018.43,4112.44 C10.1@6950,4112.44
NetC13_1: C13.1 C14.2 R1.2 R2.1 | length 241.1
  Top Layer w15: R2.1@6864.13,3965 6881.57,3947.56 C14.2@6950,3947.56 ; C13.1@6950,4002.44 C14.2@6950,3947.56 ; R1.2@7035.87,3965 7018.43,3947.56 C14.2@6950,3947.56
NetC15_1: C15.1 C16.2 R5.1 R6.2 | length 241.1
  Top Layer w15: R5.1@6864.13,3765 6881.57,3782.44 C15.1@6950,3782.44 ; C16.2@6950,3727.56 C15.1@6950,3782.44 ; R6.2@7035.87,3765 7018.43,3782.44 C15.1@6950,3782.44
NetC16_1: C16.1 C17.2 R35.2 R36.1 | length 241.1
  Top Layer w15: R36.1@6864.13,3635 6881.57,3617.56 C17.2@6950,3617.56 ; C16.1@6950,3672.44 C17.2@6950,3617.56 ; R35.2@7035.87,3635 7018.43,3617.56 C17.2@6950,3617.56
NetC18_1: C18.1 C19.2 R42.1 R44.2 | length 241.1
  Top Layer w15: R42.1@6864.13,3435 6881.57,3452.44 C18.1@6950,3452.44 ; C19.2@6950,3397.56 C18.1@6950,3452.44 ; R44.2@7035.87,3435 7018.43,3452.44 C18.1@6950,3452.44
NetC19_1: C19.1 C20.2 R45.2 R47.1 | length 241.1
  Top Layer w15: R47.1@6864.13,3305 6881.57,3287.56 C20.2@6950,3287.56 ; C19.1@6950,3342.44 C20.2@6950,3287.56 ; R45.2@7035.87,3305 7018.43,3287.56 C20.2@6950,3287.56
NetC21_1: C21.1 C22.2 R50.1 R51.2 | length 241.1
  Top Layer w15: R50.1@7395,3064.13 7377.56,3081.57 C21.1@7377.56,3150 ; R51.2@7395,3235.87 7377.56,3218.43 C21.1@7377.56,3150 ; C22.2@7432.44,3150 C21.1@7377.56,3150
NetC22_1: C22.1 C23.2 R52.2 R54.1 | length 241.1
  Top Layer w15: C22.1@7487.56,3150 C23.2@7542.44,3150 ; R54.1@7525,3064.13 7542.44,3081.57 C23.2@7542.44,3150 ; R52.2@7525,3235.87 7542.44,3218.43 C23.2@7542.44,3150
NetC25_1: C25.1 C26.2 R57.1 R58.2 | length 241.1
  Top Layer w15: C26.2@7487.56,4075 C25.1@7542.44,4075 ; R58.2@7525,3989.13 7542.44,4006.57 C25.1@7542.44,4075 ; R57.1@7525,4160.87 7542.44,4143.43 C25.1@7542.44,4075
NetC26_1: C26.1 C27.2 R59.2 R61.1 | length 241.1
  Top Layer w15: R59.2@7395,3989.13 7377.56,4006.57 C27.2@7377.56,4075 ; R61.1@7395,4160.87 7377.56,4143.43 C27.2@7377.56,4075 ; C26.1@7432.44,4075 C27.2@7377.56,4075
NetC28_1: C28.1 C29.2 R64.1 R65.2 | length 241.1
  Top Layer w15: C29.2@7817.56,4075 C28.1@7872.44,4075 ; R65.2@7855,3989.13 7872.44,4006.57 C28.1@7872.44,4075 ; R64.1@7872.44,4143.43 C28.1@7872.44,4075
  Top Layer w22: R64.1@7855,4160.87 R64.1@7872.44,4143.43
NetC29_1: C29.1 C30.2 R66.2 R67.1 | length 241.1
  Top Layer w15: R66.2@7725,3989.13 7707.56,4006.57 C30.2@7707.56,4075 ; R67.1@7725,4160.87 7707.56,4143.43 C30.2@7707.56,4075 ; C29.1@7762.44,4075 C30.2@7707.56,4075
NetC53_1: C53.1 D20.K R81.2
NetC54_1: C54.1 D21.K R82.2
NetC55_1: C55.1 C56.1 C57.1 C58.1 D12.K D13.1 D13.2 U9.8 U10.1 U10.8 | length 2362.7
  Top Layer w20: D13.1@1007.6,5753.66 D13.1@1008.15,5753.11 ; U10.8@1667.87,4751.8 U10.1@1818.2,4902.13 1888.89,4972.82 C58.1@1888.89,5001.11
  Top Layer w40: D13.1@1007.6,5753.66 D13.2@1082.4,5753.66 1135.28,5700.79 C55.1@1300,5700.79 1514.21,5700.79 v3(1525,5690) ; D12.K@1008.15,5615 D13.1@1008.15,5753.11 ; C56.1@1514.21,5775.79 C56.1@1525,5765
  Top Layer w60: v3(1525,5690) C56.1@1525,5765 ; C58.1@1888.89,5001.11 1945,5057.22 1945,5121.78 1911.11,5155.67 1911.11,5430.31 1741.42,5600 1741.42,5641.42 C57.1@1790,5690 1890,5590 U9.8@1936.02,5590
  Bottom Layer w60: v3(1525,5690) 1685,5690 v3(1745,5630)
NetC59_1: C59.1 D25.K R92.2
NetC60_1: C60.1 D26.K R93.2
NetC71_1: C71.1 D43.K R116.2
NetC72_1: C72.1 D44.K R117.2
NetC73_1: C73.1 C74.1 C75.1 C76.1 D35.K D36.1 D36.2 U14.8 U15.1 U15.8 | length 2372.3
  Top Layer w20: U15.8@3667.87,4751.8 U15.1@3818.2,4902.13 3888.89,4972.82 C76.1@3888.89,4996.11
  Top Layer w40: D35.K@3013.15,5615 3013.15,5753.11 D36.1@3012.6,5753.66 D36.2@3087.4,5753.66 3140.28,5700.79 C73.1@3305,5700.79 3509.21,5700.79 v3(3530,5680) ; C74.1@3519.21,5775.79 C74.1@3530,5765
  Top Layer w60: v3(3530,5680) C74.1@3530,5765 ; C76.1@3888.89,4996.11 3942.98,5050.2 3942.98,5122.73 3911.11,5154.6 3911.11,5429.6 3785,5555.71 C75.1@3785,5680 3880,5585 U14.8@3936.02,5585
  Bottom Layer w60: v3(3530,5680) 3690,5680 v3(3780,5590)
NetC77_1: C77.1 D48.K R127.2
NetC78_1: C78.1 D49.K R128.2
NetC89_1: C89.1 D66.K R151.2
NetC89_2: C89.2 C90.2 C91.2 C92.2 C93.2 C94.2 D59.3 D70.A D71.A D72.A Q20.S Q21.S Q22.D Q23.D R160.2 R161.2 R162.1 R163.1 U19.5 U20.4 U20.5 U21.5 | length 2744.8
  Top Layer w20: C90.2@4850,5320 R160.2@5012.44,5320 ; U20.5@5566.8,4857.87 U20.4@5717.13,5008.2 5787.82,5078.89 C94.2@5816.11,5078.89
  Top Layer w25: D70.A@4246.85,4695 4250,4698.15 R161.2@4250,4897.44
  Top Layer w40: D59.3@5045,5836.34 5082.87,5874.21 5295,5874.21 ; C91.2@5295,5759.21 5295,5874.21 ; C92.2@5525,5875 5524.21,5874.21 5295,5874.21
  Top Layer w60: C92.2@5525,5875 5725,5875 C93.2@5810,5790 ; C94.2@5816.11,5078.89 5816.11,5423.89 5660,5580 5660,5765 5685,5790 C93.2@5810,5790 ; U19.5@5966.02,5885 5905,5885 C93.2@5810,5790
  other v1: 5543.87,2095.98 5587.26,2103.4 5497.45,2108.41 5625.26,2125.61 5458.09,2135.98 5652.83,2164.97 5435.88,2173.99 5666.61,2207.69 5429.81,2213.68 5659.2,2251.08 5440.89,2263.8 5635.64,2292.78 5468.46,2303.16 5596.28,2320.35 5506.47,2325.37 5549.85,2332.78
NetC90_1: C90.1 D67.K R152.2
NetC91_1: C91.1 C92.1 C93.1 C94.1 D58.K D59.1 D59.2 U19.8 U20.1 U20.8 | length 2414.5
  Top Layer w20: U20.8@5672.87,4751.8 U20.1@5823.2,4902.13 5893.89,4972.82 C94.1@5893.89,5001.11
  Top Layer w40: D58.K@5008.15,5615 5008.15,5753.11 D59.1@5007.6,5753.66 D59.2@5082.4,5753.66 5175.28,5660.79 5495.79,5660.79 v3(5525,5690) ; C92.1@5514.21,5775.79 C92.1@5525,5765
  Top Layer w60: v3(5525,5690) C92.1@5525,5765 ; C94.1@5893.89,5001.11 5950,5057.22 5950,5125.71 5916.11,5159.6 5916.11,5465.31 5810,5571.42 C93.1@5810,5680 5905,5585 U19.8@5966.02,5585
  Bottom Layer w60: v3(5525,5690) 5735,5690 5810,5615 v3(5810,5610)
NetC95_1: C95.1 D71.K R162.2
NetC96_1: C96.1 D72.K R163.2
NetD12_A: D12.A R74.1 | length 126.6
  Top Layer w30: D12.A@850,5616.85 D12.A@851.85,5615
  Top Layer w40: D12.A@850,5616.85 R74.1@850,5740.87
NetD16_A: D16.A Q4.G R86.1 R90.1 | length 122.6
  Top Layer w25: 1067.56,5197.44 R90.1@1067.56,5320
NetD16_K: D16.K R77.1
NetD17_A: D17.A Q5.G R87.1 R91.1 | length 161.4
  Top Layer w20: R91.1@250,4977.56 406.57,4977.56 R87.1@410,4974.13
NetD17_K: D17.K R78.1
NetD23_1: D23.1 R83.1 | length 4500.2
  Top Layer w10: v2(6580,5530) R83.1@6632.44,5530
  Top Layer w15: D23.1@2425,5867.4 v2(2425,5940)
  ML2 w10: v2(2425,5940) 2435,5950 4136.72,5950 4216.72,5870 4485.42,5870 4536.21,5920.79 5854.36,5920.79 6180.15,5595 6510,5595 6575,5530 v2(6580,5530)